# Altium PCB C1B_EVAL_DEV.PcbDoc (part 2 of 2) (continued)
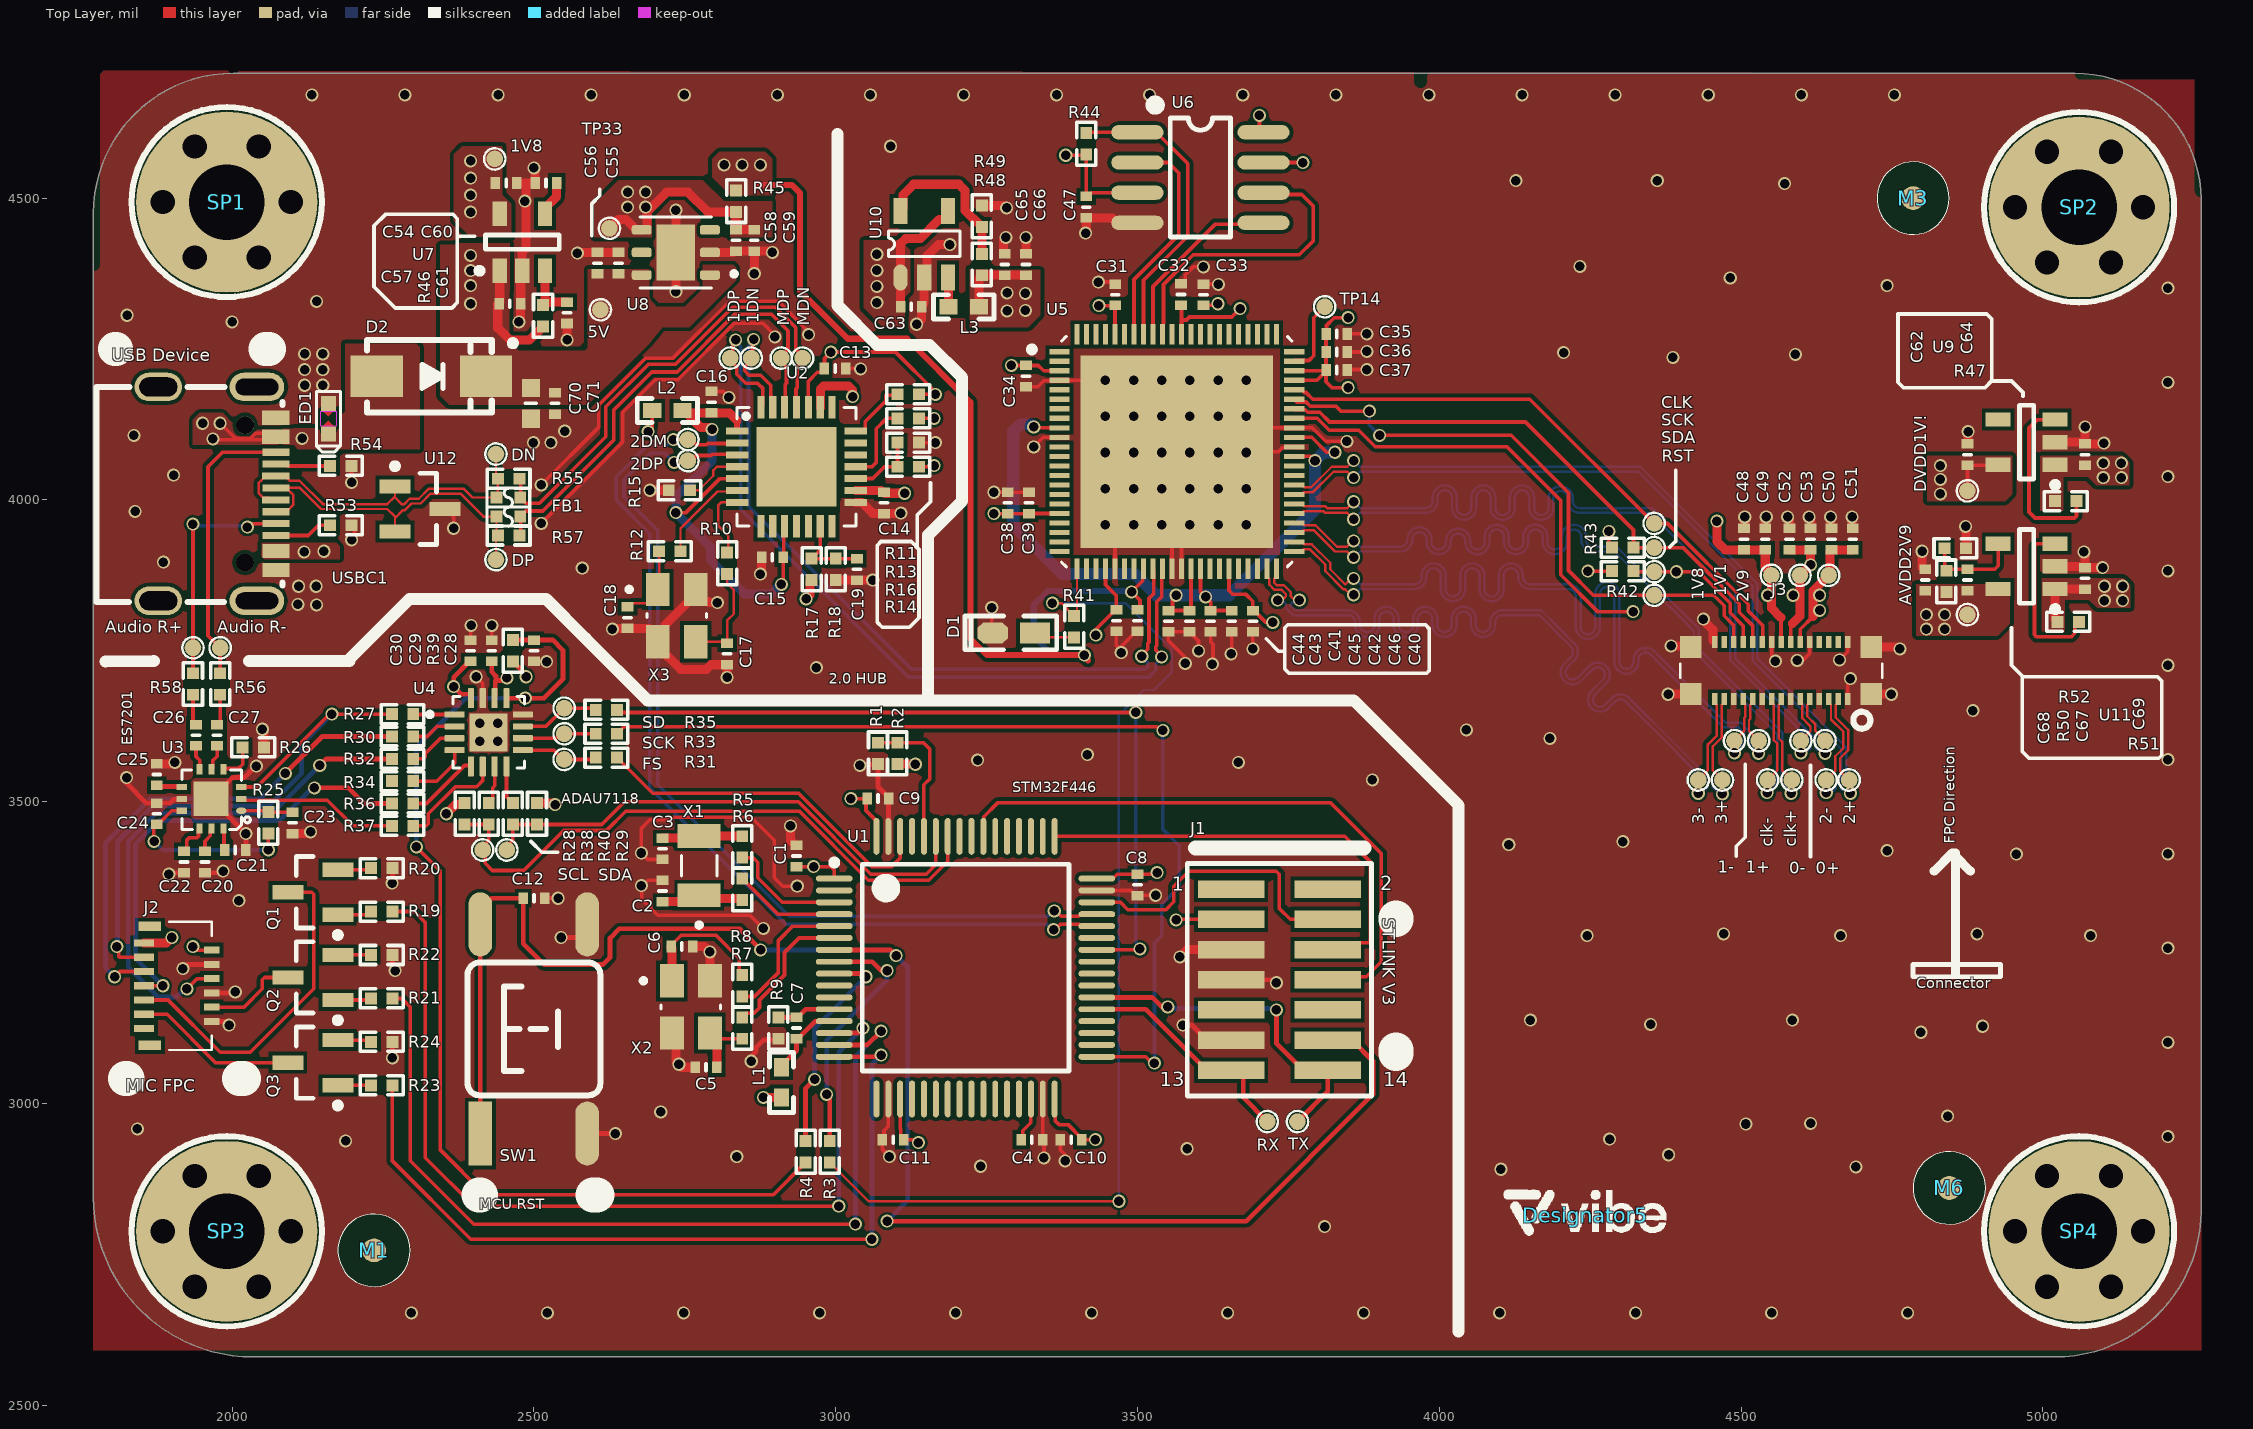
[diagram p0: Top Layer view]
## Nets (pads, with @x,y where several pads share a name; then routed paths per layer and width w, separated by ;. In a path a pad name is that pad's centre, name@x,y a point inside that pad or via, vN(x,y) a via of type N, cw(c..) or ccw(c..) an arc to the next point about the centre after c; other vN are vias at no path point) (continued)
  Bottom Layer w6: v1(3884,4147) 3884,4124 v1(3901,4107)
NetC2_1: C2.1 R6.2 X1.1 | length 135.2
  Top Layer w15: C2.1@2713,3334.28 2713.37,3334.66 2763.33,3334.66 2768.3,3339.62 2842.66,3339.62 R6.2@2845,3337.28
NetC3_1: C3.1 R5.2 X1.2 | length 133.5
  Top Layer w15: C3.1@2713,3439.72 2713.37,3440.09 2770.34,3440.09 2773.27,3443.02 2844.7,3443.02 R5.2@2845,3442.72
NetC4_1: C4.1 U1.30 | length 74.1
  Top Layer w6: C4.1@3307.28,2940 3310,2942.72 3310,2955 3323.27,2968.27 U1.30@3323.27,3007.48
NetC5_1: C5.1 R7.2 X2.3 | length 105.7
  Top Layer w6: X2.3@2800.91,3107.28 R7.2@2845,3107.28
  Top Layer w15: X2.3@2791.5,3116.69 2800.91,3107.28 2803.09,3105.1 2803.09,3060.37 C5.1@2802.72,3060
NetC6_1: C6.1 R8.1 X2.1 | length 224
  Top Layer w6: C6.1@2727.28,3260 2727.28,3261.97 2743.82,3278.5 2801.5,3278.5 2840,3240 2840,3217.72 R8.1@2845,3212.72
  Top Layer w15: C6.1@2727.28,3260 2727.28,3258.03 2728.5,3256.81 X2.1@2728.5,3203.31
NetC15_1: C15.1 C16.1 L2.2 U2.1 U2.5 U2.10 | length 805.3
  Top Layer w6: v1(2735,3979) 2752,3979 2808.32,4035.32 U2.5@2836.57,4035.32 ; v1(2910,3860) 2912.72,3862.72 C15.1@2912.72,3905 2914.02,3906.3 2914.02,3955.28 U2.10@2915.32,3956.57
  Top Layer w10: U2.1@2836.57,4114.06 2836.57,4131.43
  Top Layer w15: L2.2@2746,4148 2748.5,4148 L2.2@2752.22,4144.28 ; v1(2795,4117) 2792,4120 2776.5,4120 L2.2@2752.22,4144.28 ; 2836.57,4131.43 2823.72,4144.28 C16.1@2794,4144.28 L2.2@2752.22,4144.28
  Bottom Layer w15: v1(2795,4117) 2795,4065 2735,4005 v1(2735,3979) 2792.64,3921.36 2792.64,3900.36 2849,3844 2892.2,3844 2908.2,3860 v1(2910,3860)
NetC17_1: C17.1 R10.2 X3.3 | length 176.6
  Top Layer w4: X3.3@2767.99,3765 2817.72,3765 C17.1@2820,3762.72 2820,3800 2831,3811 2831,3851 2820,3862 R10.2@2820,3877.28
NetC18_1: C18.1 R12.1 X3.1 | length 129.4
  Top Layer w4: C18.1@2655,3822.72 2660.87,3828.59 2687.31,3828.59 2705,3846.28 X3.1@2705,3851.61 2707.28,3853.89 R12.1@2707.28,3915
NetC19_1: C19.1 R17.2 R18.1 U2.13 | length 134.8
  Top Layer w6: U2.13@2974.37,3956.57 2974,3956.2 2974,3916.72 R17.2@2960,3902.72 R18.1@3000,3902.72 C19.1@3035,3902.72
NetC20_1: C20.1 U3.11 | length 42.2
  Top Layer w6: C20.1@1955,3417.72 1955,3434.59 1963.79,3443.38 1963.79,3453.47 U3.11@1965.79,3455.47
NetC21_2: C21.2 U3.12 | length 36.2
  Top Layer w6: U3.12@1985.47,3455.47 1986.38,3454.57 1986.38,3420.91 C21.2@1987.29,3420
NetC22_1: C22.1 U3.10 | length 56.2
  Top Layer w6: C22.1@1920,3417.72 1920.13,3417.72 1925,3422.59 1925,3436.49 1928.51,3440 1941.49,3440 1944.1,3442.62 1944.1,3453.47 U3.10@1946.1,3455.47
NetC23_1: C23.1 R25.2 U3.1 | length 85.9
  Top Layer w6: U3.1@2015,3485 2057.72,3485 R25.2@2060,3482.72 C23.1@2100,3482.72
NetC25_1: C25.1 U3.7 | length 42.8
  Top Layer w8: C25.1@1875,3527.28 1876.91,3525.37 1915.57,3525.37 U3.7@1916.57,3524.37
NetC26_1: C26.1 U3.6 | length 40.9
  Top Layer w6: C26.1@1940,3592.28 1940,3575 1946.1,3568.9 U3.6@1946.1,3553.9
NetC27_1: C27.1 U3.5 | length 42.2
  Top Layer w6: U3.5@1965.79,3553.9 1967.79,3555.9 1967.79,3568.2 1975,3575.41 C27.1@1975,3592.28
NetC60_1: C60.1 U7.4 | length 59
  Top Layer w15: U7.4@2518.11,4474.16 2518.11,4483.02 2537.34,4502.25 2537.34,4524.63 C60.1@2537.72,4525
NetC61_1: C61.1 R46.2 U7.3 | length 97
  Top Layer w15: R46.2@2515,4322.72 R46.2@2517.34,4325.06 ; U7.3@2518.11,4379.67 2518.11,4325.83 R46.2@2517.34,4325.06 ; C61.1@2555,4327.72 2524.69,4327.72 2522.03,4325.06 R46.2@2517.34,4325.06
NetC67_2: C67.2 R50.2 R52.1 U11.4 | length 164.2
  Top Layer w6: R52.1@4837.28,3920 4837.28,3885.44 R50.2@4840,3882.72 4842.28,3885 C67.2@4875,3885 4920,3885 4925.84,3890.84 U11.4@4925.84,3927.4
NetD1_1: D1.1 R41.1 | length 68.1
  Top Layer w4: D1.1@3330,3779.74 3337.46,3772.28 R41.1@3395,3772.28
NetL3_1: L3.1 U10.3 | length 49.1
  Top Layer w15: U10.3@3185.93,4368.62 3186.46,4368.08 3186.46,4320.54 L3.1@3187,4320
NetQ1_1: Q1.1 R19.2 | length 57.2
  Top Layer w6: Q1.1@2175,3312.6 2224.6,3312.6 R19.2@2230,3318
NetQ1_2: Q1.2 R20.1 | length 56.1
  Top Layer w6: Q1.2@2175,3387.4 2227.4,3387.4 R20.1@2230,3390
NetQ2_1: Q2.1 R21.2 | length 56.1
  Top Layer w6: Q2.1@2175,3171.4 2227.4,3171.4 R21.2@2230,3174
NetQ2_2: Q2.2 R22.1 | length 55.1
  Top Layer w6: Q2.2@2175,3246.2 2229.8,3246.2 R22.1@2230,3246
NetQ3_1: Q3.1 R23.2 | length 55.1
  Top Layer w6: Q3.1@2175,3030.2 2229.8,3030.2 R23.2@2230,3030
NetQ3_2: Q3.2 R24.1 | length 56.2
  Top Layer w6: Q3.2@2175,3105 2227,3105 R24.1@2230,3102
NetR3_2: R3.2 U1.8 | length 419.4
  Top Layer w8: v1(2985,3015) 2990,3010 R3.2@2990,2937.72 ; U1.8@2997.48,3234.84 3060.16,3234.84 3075,3220 v1(3085,3220)
  Bottom Layer w8: v1(2985,3015) 2985,3105 3084.36,3204.36 3084.36,3219.36 v1(3085,3220)
NetR4_2: R4.2 U1.9 | length 368.4
  Top Layer w8: R4.2@2950,2937.72 2950,3025 v1(2965,3040) ; U1.9@2997.48,3215.16 3044.84,3215.16 v1(3050,3210)
  Bottom Layer w8: v1(2965,3040) 2965,3125 v1(3050,3210)
NetR11_1: R11.1 U2.21 | length 107.4
  Top Layer w6: U2.21@3033.43,4114.06 3046.22,4114.06 3049.13,4116.96 3049.13,4130.13 3083,4164 3083,4173.49 3100.77,4173.49 R11.1@3102.28,4175
NetR13_1: R13.1 U2.18 | length 134.8
  Top Layer w6: U2.18@3033.43,4055 3060,4055 3067,4062 3067,4118 3084,4135 R13.1@3102.28,4135
NetR14_2: R14.2 R16.2 U2.17 | length 117
  Top Layer w6: U2.17@3033.43,4035.32 3033.57,4035.46 3061.13,4035.46 3080.67,4055 R14.2@3102.28,4055 R16.2@3102.28,4095
NetR15_1: R15.1 U2.4 | length 99.3
  Top Layer w4: R15.1@2758.72,4016 2773,4016 2797,4040 2797,4049 2803,4055 U2.4@2836.57,4055
NetR26_1: R26.1 U3.4 | length 63
  Top Layer w6: U3.4@1985.47,3553.9 1986.57,3555 2010,3555 2017.28,3562.28 R26.1@2017.28,3590
NetR31_2: FS.1 R31.2 U4.9 | length 128.4
  Top Layer w6: U4.9@2481.5,3585.47 2533.26,3585.47 2548.73,3570 FS.1@2550,3570 2599.32,3570 R31.2@2602.28,3572.96
NetR33_2: R33.2 SCK.1@2550,3612.5 U4.10 | length 123.8
  Top Layer w6: U4.10@2481.5,3605.16 2536.82,3605.16 2544.17,3612.5 SCK.1@2550,3612.5 R33.2@2602.28,3612.5
NetR35_2: R35.2 SD.1 U4.11 | length 134.5
  Top Layer w6: U4.11@2481.5,3624.84 2519.84,3624.84 SD.1@2550,3655 2599.32,3655 R35.2@2602.28,3652.04
NetR38_2: R38.2 U4.7 | length 64.9
  Top Layer w6: R38.2@2425,3497.72 2431.84,3504.57 2431.84,3523.27 2434.84,3526.27 U4.7@2434.84,3558.5
NetR40_2: R40.2 U4.8 | length 65.1
  Top Layer w6: U4.8@2454.53,3558.5 2454.53,3508.19 R40.2@2465,3497.72
NetR47_2: R47.2 U9.3 | length 297
  Top Layer w6: U9.3@5020.33,4133.11 4991.11,4133.11 4977,4119 4977,3980 4987,3970 5052.21,3970 5055.72,3973.51 R47.2@5055.72,3998
NetR48_2: R48.2 R49.1 U10.5 | length 259.5
  Top Layer w15: U10.5@3107.18,4478.86 3111.5,4483.17 3111.5,4505.5 3129,4523 3204,4523 3214,4513 3214,4479.77 3228.53,4465.23 3229.05,4465.23 R49.1@3242,4452.28 R48.2@3242,4407.72
NetR51_2: R51.2 U11.3 | length 275.9
  Top Layer w6: U11.3@5020.33,3927.4 4989.51,3927.4 4986,3923.89 4986,3776.51 4989.51,3773 5047,3773 5052.88,3778.88 5052.88,3791.16 R51.2@5059.72,3798
NetR53_1: R53.1 USBC1.B5 | length 101.8
  Top Layer w6: USBC1.B5@2072.43,3941.1 2126.1,3941.1 2143,3958 R53.1@2167.28,3958
NetR54_2: R54.2 USBC1.A5 | length 91
  Top Layer w6: USBC1.A5@2072.45,4059.21 2089.18,4059.21 2092.11,4056.28 R54.2@2162.28,4056.28
NetTP14_1: TP14.1 U5.65 | length 125.1
  Top Layer w6: U5.65@3759.29,4229.61 3760.62,4230.94 3783.94,4230.94 3792,4239 3792,4302 TP14.1@3810,4320
NRST: C12.2 J1.12 SW1.1 SW1.4 U1.7 | length 2826.2
  Top Layer w8: SW1.1@2411,2950.24 SW1.4@2411,3296.7 2411,3321.67 2429.33,3340 C12.2@2482.29,3340 2482.29,3264.71 2517,3230 2614,3230 2626,3242 2626,3274 2641.5,3289.5 2840.5,3289.5 v1(2875.47,3254.53) ; U1.7@2997.48,3254.53 3090.47,3254.53 v1(3100,3245) ; v1(3085,2805) 3680,2805 3890,3015 3890,3070.36 3855.36,3105 J1.12@3815,3105
  Bottom Layer w8: v1(2875.47,3254.53) 3086.78,3254.53 3096.31,3245 v1(3100,3245) 3117,3228 3119.31,3228 3119.31,2839.31 v1(3085,2805)
PDM_CLK: J2.3 R27.1 U3.3 | length 1004.7
  Top Layer w6: v1(1808.83,3260) 1812.17,3256.66 1812.17,3243.59 1813.51,3242.24 J2.3@1853.9,3242.24 ; U3.3@2015,3524.37 2040.56,3524.37 2161.19,3645 R27.1@2264.56,3645
  Bottom Layer w8: v1(1808.83,3260) 1808.83,3262.65 1810,3263.83 1810,3434.09 1868.91,3493 2061.03,3493 2115,3546.97 2115,3595 v1(2165,3645)
PDM_CLK0: R27.2 U4.1 | length 68.7
  Top Layer w6: R27.2@2300,3645 2300.47,3644.53 U4.1@2368.5,3644.53
PDM_CLK1: R34.2 U4.4 | length 102.7
  Top Layer w6: R34.2@2300,3534 2339,3534 2368.5,3563.5 U4.4@2368.5,3585.47
PDM_DAT_0: R30.2 U4.2 | length 75.5
  Top Layer w6: R30.2@2300,3608 2323,3608 2339.84,3624.84 U4.2@2368.5,3624.84
PDM_DAT_1: R32.2 U4.3 | length 85.6
  Top Layer w6: R32.2@2300,3571 2316,3571 2320,3575 2320,3580 2345.16,3605.16 U4.3@2368.5,3605.16
PDM_DAT_2: R36.2 U4.5 | length 122.2
  Top Layer w6: R36.2@2300,3497 2322,3497 2385,3560 2393.98,3560 U4.5@2395.47,3558.5
PDM_DAT_3: R37.2 U4.6 | length 179.3
  Top Layer w6: R37.2@2300,3460 2321.49,3460 2325,3463.51 2325,3480 2370,3525 2405,3525 2415.16,3535.16 U4.6@2415.16,3558.5
PDM_SDI0: J2.5 R30.1 | length 827.6
  Top Layer w6: v1(1805,3210) 1813.62,3218.62 J2.5@1853.9,3218.62
  Top Layer w8: v1(2088.2,3546.8) 2149.4,3608 R30.1@2264.56,3608
  Bottom Layer w8: v1(1805,3210) 1790,3225 1790,3431.06 1863.94,3505 2046.4,3505 v1(2088.2,3546.8)
PDM_SDI1: J2.6 R32.1 | length 874
  Top Layer w6: v1(1925,3190) 1941.81,3206.81 J2.6@1966.1,3206.81
  Top Layer w8: v1(2145,3560) 2156,3571 R32.1@2264.56,3571
  Bottom Layer w8: v1(1925,3190) 1921.31,3190 1907.48,3176.17 1877.2,3176.17 1827.65,3225.72 1827.65,3434.77 1873.88,3481 2066,3481 v1(2145,3560)
PDM_SDI2: J2.7 R36.1 | length 758.7
  Top Layer w6: J2.7@1853.9,3195 v1(1885,3195)
  Top Layer w8: v1(2136,3523) 2192,3523 2218,3497 R36.1@2264.56,3497
  Bottom Layer w8: v1(1885,3195) 1840,3240 1840,3430.15 1878.85,3469 2079,3469 2133,3523 v1(2136,3523)
PDM_SDI3: R37.1 U3.2 | length 268.1
  Top Layer w6: U3.2@2015,3504.68 2017,3502.68 2023.92,3502.68 2024.01,3502.59 2157.41,3502.59 2200,3460 R37.1@2264.56,3460
PSVDD: C41.2 C45.2 U5.9 U5.35 U5.55 U5.57 | length 1216.3
  Top Layer w6: v1(3328,4121) 3329.63,4119.37 U5.9@3370.71,4119.37 ; C41.2@3551,3816.72 C41.2@3552.97,3816.72 ; v1(3564,3842) 3557.85,3835.85 3557.85,3821.59 C41.2@3552.97,3816.72 ; U5.35@3588.62,3885.71 3588.62,3819.34 C45.2@3586,3816.72 C41.2@3552.97,3816.72 ; U5.55@3759.29,4072.13 3786.87,4072.13 v1(3794,4065) ; U5.57@3759.29,4103.62 3788.38,4103.62 3813,4079 v1(3827,4079)
  Bottom Layer w20: v1(3328,4121) 3327.55,4121 3323.55,4125 3305.72,4125 3294,4113.28 3294,3958 3375,3877 3495.82,3877 3530.82,3842 v1(3564,3842) 3652,3842 3794,3984 v1(3794,4065) 3794.45,4065 3808.13,4078.68 3826.68,4078.68 v1(3827,4079)
SAI1_FS_B: R31.1 U1.62 | length 585.5
  Top Layer w6: R31.1@2637.72,3572.96 2696.68,3514 2938.28,3514 3059.8,3392.49 3092.49,3392.49 3106.73,3406.73 U1.62@3106.73,3442.52
SAI1_SCK_B: R33.1 U1.33 | length 1590.5
  Top Layer w6: R33.1@2637.72,3612.5 2649.22,3624 3531.76,3624 3537.76,3618 v1(3542,3618) ; U1.33@3432.52,3077.36 3513.4,3077.36 3523.76,3067 v1(3528,3067)
  Bottom Layer w6: v1(3528,3067) 3528,3266 3540,3278 3540,3329.79 3569,3358.79 3569,3427 3542,3454 v1(3542,3618)
SAI1_SD_B: R35.1 U1.42 | length 1327.8
  Top Layer w6: R35.1@2637.72,3652.04 2641.94,3647.83 v1(3497,3647.83) ; U1.42@3432.52,3254.53 3502.53,3254.53 v1(3504,3256)
  Bottom Layer w6: v1(3497,3647.83) 3497,3267.24 3504,3260.24 v1(3504,3256)
SDOVDD: C35.1 C36.2 C37.2 C40.1 R42.2 R43.2 U5.39 U5.63 U5.64 | length 498.1
  Top Layer w6: U5.39@3651.61,3885.71 3651.61,3849.39 3655.02,3845.98 3657,3844 3679,3844 3691,3832 C40.1@3691,3816.72 3692.97,3816.72 3712.68,3797 v1(3724,3797) ; U5.63@3759.29,4198.11 3797.36,4198.11 C37.2@3812.29,4213.03 ; U5.64@3759.29,4213.86 3811.14,4213.86 C37.2@3812.29,4215 ; v1@3846,4186 3822,4186 3812.29,4195.71 C37.2@3812.29,4213.03 ; v1(3849,4302) 3826,4302 3813,4289 3813,4275.71 C35.1@3812.29,4275 C36.2@3812.29,4245 C37.2@3812.29,4215 ; v1(4246,3882) 4284.28,3882 4285.28,3881 R42.2@4286.28,3882 ; v1(4281,3948) 4281,3921 R43.2@4286.28,3921 ; C37.2@3812.29,4213.03 C37.2@3812.29,4215
  other v1: 3849,4186
STLINK_RX: J1.13 RX.1 U1.37 | length 379.7
  Top Layer w8: U1.37@3432.52,3156.1 3513.54,3156.1 3614.64,3055 J1.13@3655,3055 3664.43,3055 3675,3044.43 3675,3010 RX.1@3715,2970
STLINK_TX: J1.14 TX.1 U1.38 | length 570.6
  Top Layer w8: U1.38@3432.52,3175.79 3524.21,3175.79 3540,3160 v1(3550,3160) ; v1(3730,3155) 3730,3099.64 3774.64,3055 J1.14@3815,3055 3815,3020 TX.1@3765,2970
  Bottom Layer w8: v1(3550,3160) 3552.5,3157.5 3727.5,3157.5 v1(3730,3155)
SWCLK: J1.6 U1.49 | length 764.8
  Top Layer w6: U1.49@3362.64,3442.52 3843.48,3442.52 3886,3400 3886,3269.51 3882.49,3266 3826,3266 J1.6@3815,3255 J1.6@3803.43,3266.57
SWDIO: J1.4 U1.46 | length 495.8
  Top Layer w6: U1.46@3432.52,3333.27 3471.73,3333.27 3484,3321 3547,3321 3560,3334 3560,3360 3585,3385 3730,3385 3735,3380 3735,3323 3753,3305 J1.4@3815,3305
SWO: J1.8 U1.55 | length 1032.8
  Top Layer w6: U1.55@3244.53,3442.52 3245.26,3443.25 3245.26,3475.26 3268,3498 3820,3498 3904,3414 3904,3235 3879,3210 3820,3210 J1.8@3815,3205 J1.8@3803.43,3216.57
Tx: U5.11
USB_5V_IN: D2.1 ED1.1 USBC1.A4 USBC1.A9 USBC1.B4 USBC1.B9 | length 211.4
  Top Layer w6: v1(1968,4101) 1969.21,4099.79 2071.07,4099.79 USBC1.B9@2072.27,4098.58 ; v1(1980,4127) 2004.99,4102.01 2030.27,4102.01 2038.65,4110.39 USBC1.A4@2072.27,4110.39
  other v1: 2119,3914 2152,3915 2116,4102 1951,4127
USB_D_N: DN.1 FB1.4 R55.1 U12.1 USBC1.A7 USBC1.B7 | length 580.2
  Top Layer w4: USBC1.A7@2064.43,4000.16 2060.52,4004.07 2051.18,4004.07 2043.8,4011.45 2043.8,4028.23 2047.31,4031.75 2047.84,4031.75 2055.62,4039.53 USBC1.B7@2072.36,4039.53 2077.93,4039.53 2089.09,4039.54 2093,4035.63 2093,4034.09 2095.34,4031.75 2111.57,4031.75 2150.32,3993 2257,3993 2269.66,4005.66 ; U12.1@2269.66,4022.4 2269.66,4005.66 ; DN.1@2437,4076 2437,4038.28 R55.1@2440.28,4035 2440.28,4006.35 FB1.4@2437.86,4003.93 2398.25,4003.93 2383.85,4018.34 2325.34,4018.34 2309,4002 2294,4002 2284.66,3992.66 2281.34,3992.66 2269.66,4004.34 2269.66,4005.66
USB_D_P: DP.1 FB1.2 R57.1 U12.2 USBC1.A6 USBC1.B6 | length 581.5
  Top Layer w4: USBC1.B6@2072.43,3980.47 2076.34,3984.38 2093.62,3984.38 2101.01,3991.77 2101.01,4008.55 2097.5,4012.07 2096.94,4012.07 USBC1.A6@2089.17,4019.84 ; USBC1.A6@2074.62,4022.03 2076.81,4019.84 USBC1.A6@2089.17,4019.84 ; U12.2@2269.66,3947.6 2269.66,3969.66 ; DP.1@2437,3901 2437,3937.72 R57.1@2440.28,3941 2437.86,3943.41 FB1.2@2437.86,3972.44 2416.19,3972.44 2378.29,4010.34 2328.66,4010.34 2312.31,3994 2297.31,3994 2286.31,3983 2283,3983 2269.66,3969.66 ; USBC1.A6@2089.17,4019.84 2112.16,4019.84 2147,3985 2257,3985 2269.66,3972.34 2269.66,3969.66
USB_M_D_N: FB1.3 MDN.1 R55.2 U2.25 | length 811.3
  Top Layer w6: R55.2@2475.72,4035 2478.24,4032.49 FB1.3@2478.24,4003.93 ; FB1.3@2477.24,4003.93 2486.48,3994.69 2509,3994.69 2619,4104.69 2619,4154.38 2689.62,4225 2734.6,4225 2828.5,4318.9 2900.44,4318.9 2933.82,4285.52 2933.82,4249.29 2945,4238.12 2945,4229.38 2936.32,4220.71 2936.32,4186.3 2934.16,4184.13 2934.16,4154.27 U2.25@2935,4153.43
USB_M_D_P: FB1.1 MDP.1 R57.2 U2.26 | length 791.8
  Top Layer w6: R57.2@2475.72,3941 2478.24,3943.51 FB1.1@2478.24,3972.44 ; FB1.1@2477.24,3972.44 2486.48,3981.69 2514.38,3981.69 2632,4099.3 2632,4149 2695,4212 2737.15,4212 2833.06,4307.9 2893.05,4307.9 2920.82,4280.14 2920.82,4249.29 2909.65,4238.12 2909.65,4229.38 2918.32,4220.71 2918.32,4193.75 2916.16,4191.59 2916.16,4154.27 U2.26@2915.32,4153.43
UVDD: C43.1 R45.2 U5.30 | length 1597
  Top Layer w6: C43.1@3500,3817.72 C43.1@3504.03,3821.75 ; 3504.03,3826.75 3504.03,3833.67 v1(3490,3847.71) 3508.55,3866.26 3508.55,3884.38 U5.30@3509.88,3885.71
  Top Layer w10: 2873,4522 2927,4522 2941,4508 2941,4346 3020,4267 3118,4267 3223,4162 3223,3770.26 3250.26,3743 v1(3412,3743) 3412,3740 3418,3734
  Bottom Layer w10: v1(3412,3743) 3359,3743 3328,3774 3328,3826.04 3350.79,3848.83 3488.88,3848.83 v1(3490,3847.71)
  other v1: 2815,4555 2845,4555 2875,4555
VCC5V0_SYS: 5V.1 C55.1 C56.1 C57.1 C63.1 C70.1 C71.1 D2.2 R17.1 R46.1 U2.23 U7.1 U8.1 U8.6 U10.1 U10.4 | length 1691.3
  Top Layer w15: U7.1@2443.31,4379.67 2443.31,4327.99 2440,4324.69 2440,4285 2460,4265 2492.72,4265 R46.1@2515,4287.28 ; v1(2951,3836) 2957.66,3842.66 2957.66,3864.93 R17.1@2960,3867.28 ; U2.23@2974.37,4153.43 2974.37,4183.37 2980,4189 3021,4189 3028,4182 v1(3028,4171) ; C63.1@3107.28,4320 3107.23,4320.05 U10.1@3107.18,4368.62 U10.1@3107.18,4368.62 3107.18,4424.21 3115.97,4433 3140.07,4433 3171.77,4464.7 3181.61,4464.7 3185.93,4469.02 U10.4@3185.93,4478.86
  Power w15: v1(2395,4405) v1(2395,4380) v1(2395,4355) v1(2395,4325) 2395,4303 2494,4204 2995,4204 v1(3028,4171) 3028,3913 v1(2951,3836)
  other v1: 3068,4327 3068,4353.67 3068,4380.33 3068,4407
VCC_1V8: 1V8.1 C29.1 C48.1 C49.1 C54.1 J3.23 U4.14 U7.5 | length 3936.7
  Top Layer w6: 4566,3805 4566,3764.75 J3.23@4566.26,3764.49
  Top Layer w8: C29.1@2430,3732.28 2430,3715 2437,3708 2437,3701.07 2436.93,3701 ; U4.14@2434.84,3671.5 2435.96,3672.61 2435.96,3700.03 2436.93,3701 ; v1(2455,3705) 2451,3701 2436.93,3701
  Top Layer w15: v1(4460,3965) 4460,3931 4465.01,3925.99 4473.72,3917.28 C48.1@4505,3917.28 C49.1@4540,3917.28 4540,3888.4 4550,3878.4 1V8.1@4550,3875 4550,3821 4566,3805
  Power w15: v1(2395,4505) 2308,4505 2276,4473 2276,3819 2349,3746 2414,3746 v1(2455,3705) ; v1(2395,4561.67) 2503.33,4670 3879,4670 4053,4496 4053,4232 4171,4114 4311,4114 v1(4460,3965)
  other v1: 4543.83,3842 2395,4476.67 2395,4533.33
VIDEO_ON: R3.1 R41.2 U5.23 | length 1820.3
  Top Layer w4: R3.1@2990,2902.28 3054.28,2838 v1(3469,2838) ; v1(3359,3829) 3373.72,3829 R41.2@3395,3807.72 3399.65,3812.37 U5.23@3399.65,3885.71
  Bottom Layer w4: v1(3359,3829) 3480,3829 3556.83,3752.17 3556.83,3714.83 3527,3685 3510.38,3685 3469,3643.62 v1(3469,2838)
xecs: R44.1 U5.81 U6.1 | length 503.3
  Top Layer w6: R44.1@3415,4607.72 3416.35,4609.07 U6.1@3499.7,4609.07 3531.2,4609.07 3583,4557.27 3583,4437 3509.88,4363.88 U5.81@3509.88,4274.29
xedi: U5.80 U6.5 | length 306.1
  Top Layer w6: U5.80@3525.63,4274.29 3525.63,4353.63 3629,4457 3706.6,4457 U6.5@3708.68,4459.07
xedo: U5.82 U6.2 | length 373.7
  Top Layer w6: U5.82@3494.13,4274.29 3494.13,4365.13 3568,4439 3568,4542 3550.93,4559.07 U6.2@3499.7,4559.07
xesk: U5.79 U6.6 | length 510.6
  Top Layer w6: U5.79@3541.38,4274.29 3542.71,4275.62 3542.71,4291.44 3543,4291.74 3543,4356.86 3592.14,4406 3768,4406 3791,4429 3791,4487 3772,4506 3711.75,4506 U6.6@3708.68,4509.07
pads on no net: J1.1 J1.2 J1.9 J1.10 J2.13 J2.MP1 J2.MP2 J3.17 J3.27 J3.28 J3.29 M1.1 M2.1 M3.1 M4.1 M5.1 M6.1 R34.1 SP1.1 SP2.1 SP3.1 SP4.1 U1.2 U1.10 U1.11 U1.17 U1.20 U1.21 U1.22 U1.23 U1.24 U1.25 U1.26 U1.27 U1.28 U1.29 U1.34 U1.35 U1.36 U1.39 U1.40 U1.41 U1.43 U1.50 U1.51 U1.52 U1.53 U1.54 U1.56 U1.57 U1.61 U2.8 U2.9 U2.11 U2.12 U2.14 U2.19 U2.20 U2.22 U2.PAD U5.1 U5.2 U5.5 U5.6 U5.7 U5.8 U5.12 U5.14 U5.16 U5.17 U5.19 U5.20 U5.21 U5.22 U5.24 U5.25 U5.28 U5.29 U5.37 U5.38 U5.40 U5.41 U5.42 U5.53 U5.54 U5.66 U5.67 U5.68 U5.69 U5.70 U5.71 U5.72 U5.73 U5.74 U5.75 U5.76 U5.78 U5.83 U5.85 U5.86 U5.87 U5.88 U8.3 U8.5 U9.4 USBC1. USBC1.0

## Polygon pours and split planes (outlines as drawn)
DVSS on Top Layer "NONET_L-01_P-001" (solid, remove dead copper, pour order 31): 1768,4711 1770,4709 1770,2591 5253,2591 5262.01,2581.99 5262.01,4707.01
FVDD on Top Layer "NONET_L-01_P-001" (solid, pour order 21): 4999,3870 4998,3869 4998,3779 5036,3779 5036,3835 5076,3835 5090,3821 5145,3821 5145,3859 5134,3870
FVDD on Top Layer "NONET_L-01_P-001" (solid, pour order 20): 4997,4073 4996,4072 4996,3982 5034,3982 5034,4038 5074,4038 5088,4024 5143,4024 5143,4062 5132,4073
AVDD2V9 on Top Layer "NONET_L-01_P-001" (solid, pour order 19): 4945,3860.18 4945,3795 4925,3775 4790.27,3775 4790.27,3859.18 4789.27,3860.18
DVDD1V1 on Top Layer "NONET_L-01_P-001" (solid, pour order 18): 4949,4073 4949,4009 4938,3998 4808,3998 4808,4072 4807,4073
VCC5V0_SYS on Top Layer "NONET_L-01_P-001" (solid, pour order 17): 3123,4414 3107,4430 3046,4430 3046,4318 3078,4286 3114,4286 3114,4336 3123,4345
DVDD on Top Layer "NONET_L-01_P-001" (solid, pour order 16): 3222,4383 3224,4381 3339,4381 3339,4306 3319,4286 3222,4286
no net on Top Layer "NONET_L-01_P-001" (solid, pour order 15): 3250,4381
USB_5V_IN on Top Layer "NONET_L-01_P-001" (solid, pour order 13): 2049,3929 2172,3929 2178,3923 2178,3902 2053,3902 2048,3907
DVSS on Top Layer "NONET_L-01_P-001" (solid, pour order 12): 2046,3897 2048,3895 2154,3895 2154,3817 2149,3812 2093,3812 2086,3819 2086,3864 2048,3864 2046,3866
USB_5V_IN on Top Layer "NONET_L-01_P-001" (solid, pour order 11): 2079,4115 2078,4116 2011,4116 2011,4117 1984,4144 1946,4144 1935,4133 1935,4091 2050,4091 2076,4091
DVSS on Top Layer "NONET_L-01_P-001" (solid, pour order 10): 2050,4152 2087,4152 2087,4154 2100,4167 2100,4259 2174,4259 2179,4254 2179,4151 2169,4141 2122,4141 2122,4135 2113,4127 2050,4127
DVSS on Top Layer "NONET_L-01_P-001" (solid, pour order 9): 2479,4150 2566,4150 2566,4104 2543,4081 2479,4081
USB_5V_IN on Top Layer "NONET_L-01_P-001" (solid, pour order 8): 2050,4119 2159,4119 2187,4147 2187,4259 2305,4259 2311,4253 2311,4084 2109,4084 2102,4091 2050,4091
UVDD on Top Layer "NONET_L-01_P-001" (solid, pour order 6): 2825,4505 2795,4535 2795,4565 2807,4577 2883,4577 2895,4565 2895,4505
VCC5V0_SYS on Top Layer "NONET_L-01_P-001" (solid, pour order 3): 2690,4335 2703.46,4319.96 2750.04,4320.04 2780,4350 2780,4390 2830,4390 2835,4385 2835,4364 2757,4286 2690,4286
VCC5V0_SYS on Top Layer "NONET_L-01_P-001" (solid, pour order 2): 2459.43,4422.5 2459.43,4262.5 2474.43,4247.5 2524.43,4247.5 2584.43,4247.5 2589.43,4252.5 2589.43,4382.5 2690,4382.5 2692.28,4291 2717,4291 2690,4258.07 2649.43,4217.5 2589.43,4157.5 2359.43,4157.5 2344.43,4172.5 2344.43,4422.5
FVDD on Top Layer "NONET_L-01_P-001" (solid, pour order 4): 2695,4435 2695,4485 2720,4510 2760,4510 2800,4470 2825,4470 2825,4435 2895,4435 2895,4495 2815,4495 2780,4530 2640,4530 2600,4490 2600,4435
VCC5V0_SYS on Top Layer "NONET_L-01_P-001" (solid, pour order 1): 2370,4425 2460,4425 2460,4345 2455,4340 2455,4305 2370,4305
VCC_1V8 on Top Layer "NONET_L-01_P-001" (solid, pour order 0): 2462.39,4435.93 2462.39,4490.93 2447.39,4505.93 2447.39,4585.93 2380.93,4585.93 2367.39,4572.39 2367.39,4462.61 2394.07,4435.93
FVDD on Power "NONET_L-01_P-001" (solid, pour order 26): 2343.19,4643 3230,4643 3230,3906 4316,3906 4684,4274 5148,4274 5185,4237 5185,3760 5049,3760 4793,3504 3644,3504 3644,2955 3567,2878 2234,2878 1987,3125 1792,3125 1792,3621 1989,3818 2224,3818 2224,4514.88
VCC5V0_SYS on Power "NONET_L-01_P-001" (solid, remove dead copper, pour order 24): 2658,4211 2754,4307 2754,4309 2892,4309 3041,4458 3043,4456 3134,4456 3134,4226 3041,4133 3041,4081 2989,4081 2679,4081 2583,4177 2401,4177 2338,4240 2338,4446 2413,4446 2449,4410 2449,4249 2591,4249 2629,4211
SDOVDD on Power "NONET_L-01_P-001" (solid, pour order 23): 3792,4357 3794,4359 3931,4359 3931,4198 4137,3992 4307,3992 4307,3883 4290,3866 3893,3866 3802,3775 3650,3775 3650,4159 3767,4276 3767,4358
DVDD on Power "NONET_L-01_P-001" (solid, pour order 28): 3680,4409 3680,4246 3670,4236 3397,4236 3397,4009 3341,3953 3230,3953 3230,4409
FVDD on Power "NONET_L-01_P-001" (solid, pour order 27): 3148,4247 3151,4250 3315,4250 3315,4199 3314,4198 3145,4198
FVDD on Power "NONET_L-01_P-001" (solid, pour order 30): 3176,4507 3803,4507 3803,4582 3746,4639 3168,4639 3168,4572 3166,4570
no net on Power "NONET_L-01_P-001" (solid, pour order 29): 3207,4212
DVDD1V1 on Power "NONET_L-01_P-001" (solid, pour order 22): 4567,3834 4567,3895 4613,3941 4709,3941 4774,4006 4774,4084 4864,4084 4878,4070 4878,3995 4835,3995 4712,3872 4610,3872 4610,3813 4566,3813
AVDD2V9 on Power "NONET_L-01_P-001" (solid, pour order 14): 4617,3853 4617,3799 4754,3799 4798,3755 4850,3755 4850,3852 4849,3853
USB_5V_IN on Power "NONET_L-01_P-001" (solid, pour order 25): 1937,4158 2108,4158 2178,4088 2178,3904 2062,3904 2051,3915 2051,4025 1983,4025 1937,4071
DVSS on GND "NONET_L-01_P-001" (solid, pour order 7): 1775,4715 5262.01,4715 5262.01,2580 1770,2580
DVSS on Bottom Layer "NONET_L-01_P-001" (solid, remove dead copper, pour order 32): 1766,4716 5223,4716 5264,4675 5264,2571 1800,2571 1764,2607
no net on Top Overlay "NONET_L-01_P-001" (none): 4785,3230 4930,3230 4930,3210 4785,3210
no net on Top Overlay "NONET_L-01_P-001" (solid): 4540,4165

## Silkscreen, mask and mechanical layers (free items; w line width, h text height)
Top Overlay:
  circle w10: c4700,3635 r14.14
  lines w6: 2375,4437 2402,4437 ; 2495,3434 2513,3416 2539,3416 ; 2596,4438 2596,4491 2609,4504 2609,4515 ; 3135,3924.5 3135,3975 3157,3997 3157,4028 ; 3713,3770 3734,3749 3740,3749 ; 4382,3922 4391,3931 4392,3931 4392,4049 ; 4492,3410 4492,3426 4507,3441 4507,3562 ; 4615,3409 4615,3560 ; 4948,3788 4948,3726 4967,3707 5034,3707 ; 4967,4172 4967,4178 4948,4197 4915,4197 ; 4915,4197 4915,4300 4907,4308 4760,4308 4760,4195 4769,4186 4904,4186 4915,4197 ; 2235,4353 2270,4318 2364,4318 2373,4327 2373,4466 2366,4473 2254,4473 2235,4454 2235,4353 ; 3069,3797 3077,3789 3122,3789 3138,3805 3138,3918 3125,3931 3075,3931 3069,3925 3069,3797 ; 3744,3720 3744,3788 3749,3793 3977,3793 3983,3787 3983,3717 3979,3713 3751,3713 3744,3720 ; 4966,3583 4977,3572 5192,3572 5197,3577 5197,3700 5190,3707 4966,3707 4966,3583
  lines w15: 4820,3385 4850,3415 ; 4855,3215 4855,3415 ; 4855,3410 4880,3385
  lines w20: 1790,3732 1870,3733 ; 2028,3733 2194,3733 ; 2194,3736 2294,3836 2520,3836 2586,3770 2688,3668 3858,3668 4032,3494 4032,2772 4032,2622 ; 3003,4606 3003,4322 3068,4257 3155,4257 3209,4203 3209,3998 3153,3942 3153,3677
  lines w25: 3596,3423 3875.26,3423
  lines w56: 1806,4250 1808,4250 ; 2055,4250 2061,4250
  lines w58: 1823.5,3041 1825.5,3041 ; 2012.5,3041 2018.5,3041 ; 2409,2848 2411,2848 ; 2598,2848 2604,2848 ; 3928,3083 3928,3089 ; 3928,3305 3928,3307
  text "USB Device" at 1800.5,4222.38 h35
  text "2.0 HUB" at 2988.67,3689.91 h30
  text "ES7201" at 1839.88,3593.51 h30 r90
  text "STM32F446" at 3292.57,3510.12 h30
  text "ADAU7118" at 2545.4,3490.5 h30
  text "FPC Direction" at 4859.67,3430 h30 r90
  text "STLINK V3" at 3899.07,3307 h35 r270
  text "Connector" at 4790,3185.33 h30
  text "MIC FPC" at 1823.5,3012.07 h35
  text "MCU RST" at 2409,2819.07 h30
Top Solder:
  text "C1B EVB Dev Board" at 4083.61,2682.11 h90
  text "REV-A 2022.12.13" at 2346.11,2676.05 h50
Mechanical 1:
  lines w10: 1770,4380 1770,4475 cw(c2002.01,4475) 2002.01,4707.01 5052.99,4707.01 cw(c5052.99,4497.99) 5262.01,4497.99 5262.01,2822.01 cw(c5020,2822.01) 5020,2580 2035,2580 cw(c2035,2845) 1770,2845 1770,4380 ; 1770,4380 1770,4380

## Dimensions
2002.01,4707.01 to 3969,4693 on Top Layer
5052.99,4707.01 to 5020,2580 on Top Layer
1770,4380 to 5262.01,4497.99 on Top Layer

## Text inside footprints (layer, text, board x,y; h text height)
J1: Top Overlay "1" at 3557,3344 h40; Top Overlay "2" at 3902,3345 h40; Top Overlay "13" at 3537,3020.46 h40; Top Overlay "14" at 3907,3020 h40; Mechanical 16 "1" at 3622.99,3453.07 h77.5 r270; Mechanical 16 "2" at 3797.01,3453.07 h77.5 r270; Mechanical 16 "13" at 3622.99,2988.42 h77.5 r270; Mechanical 16 "14" at 3797.01,2988.42 h77.5 r270